# Altium PCB as_x31.PcbDoc (part 1 of 6) (continued)
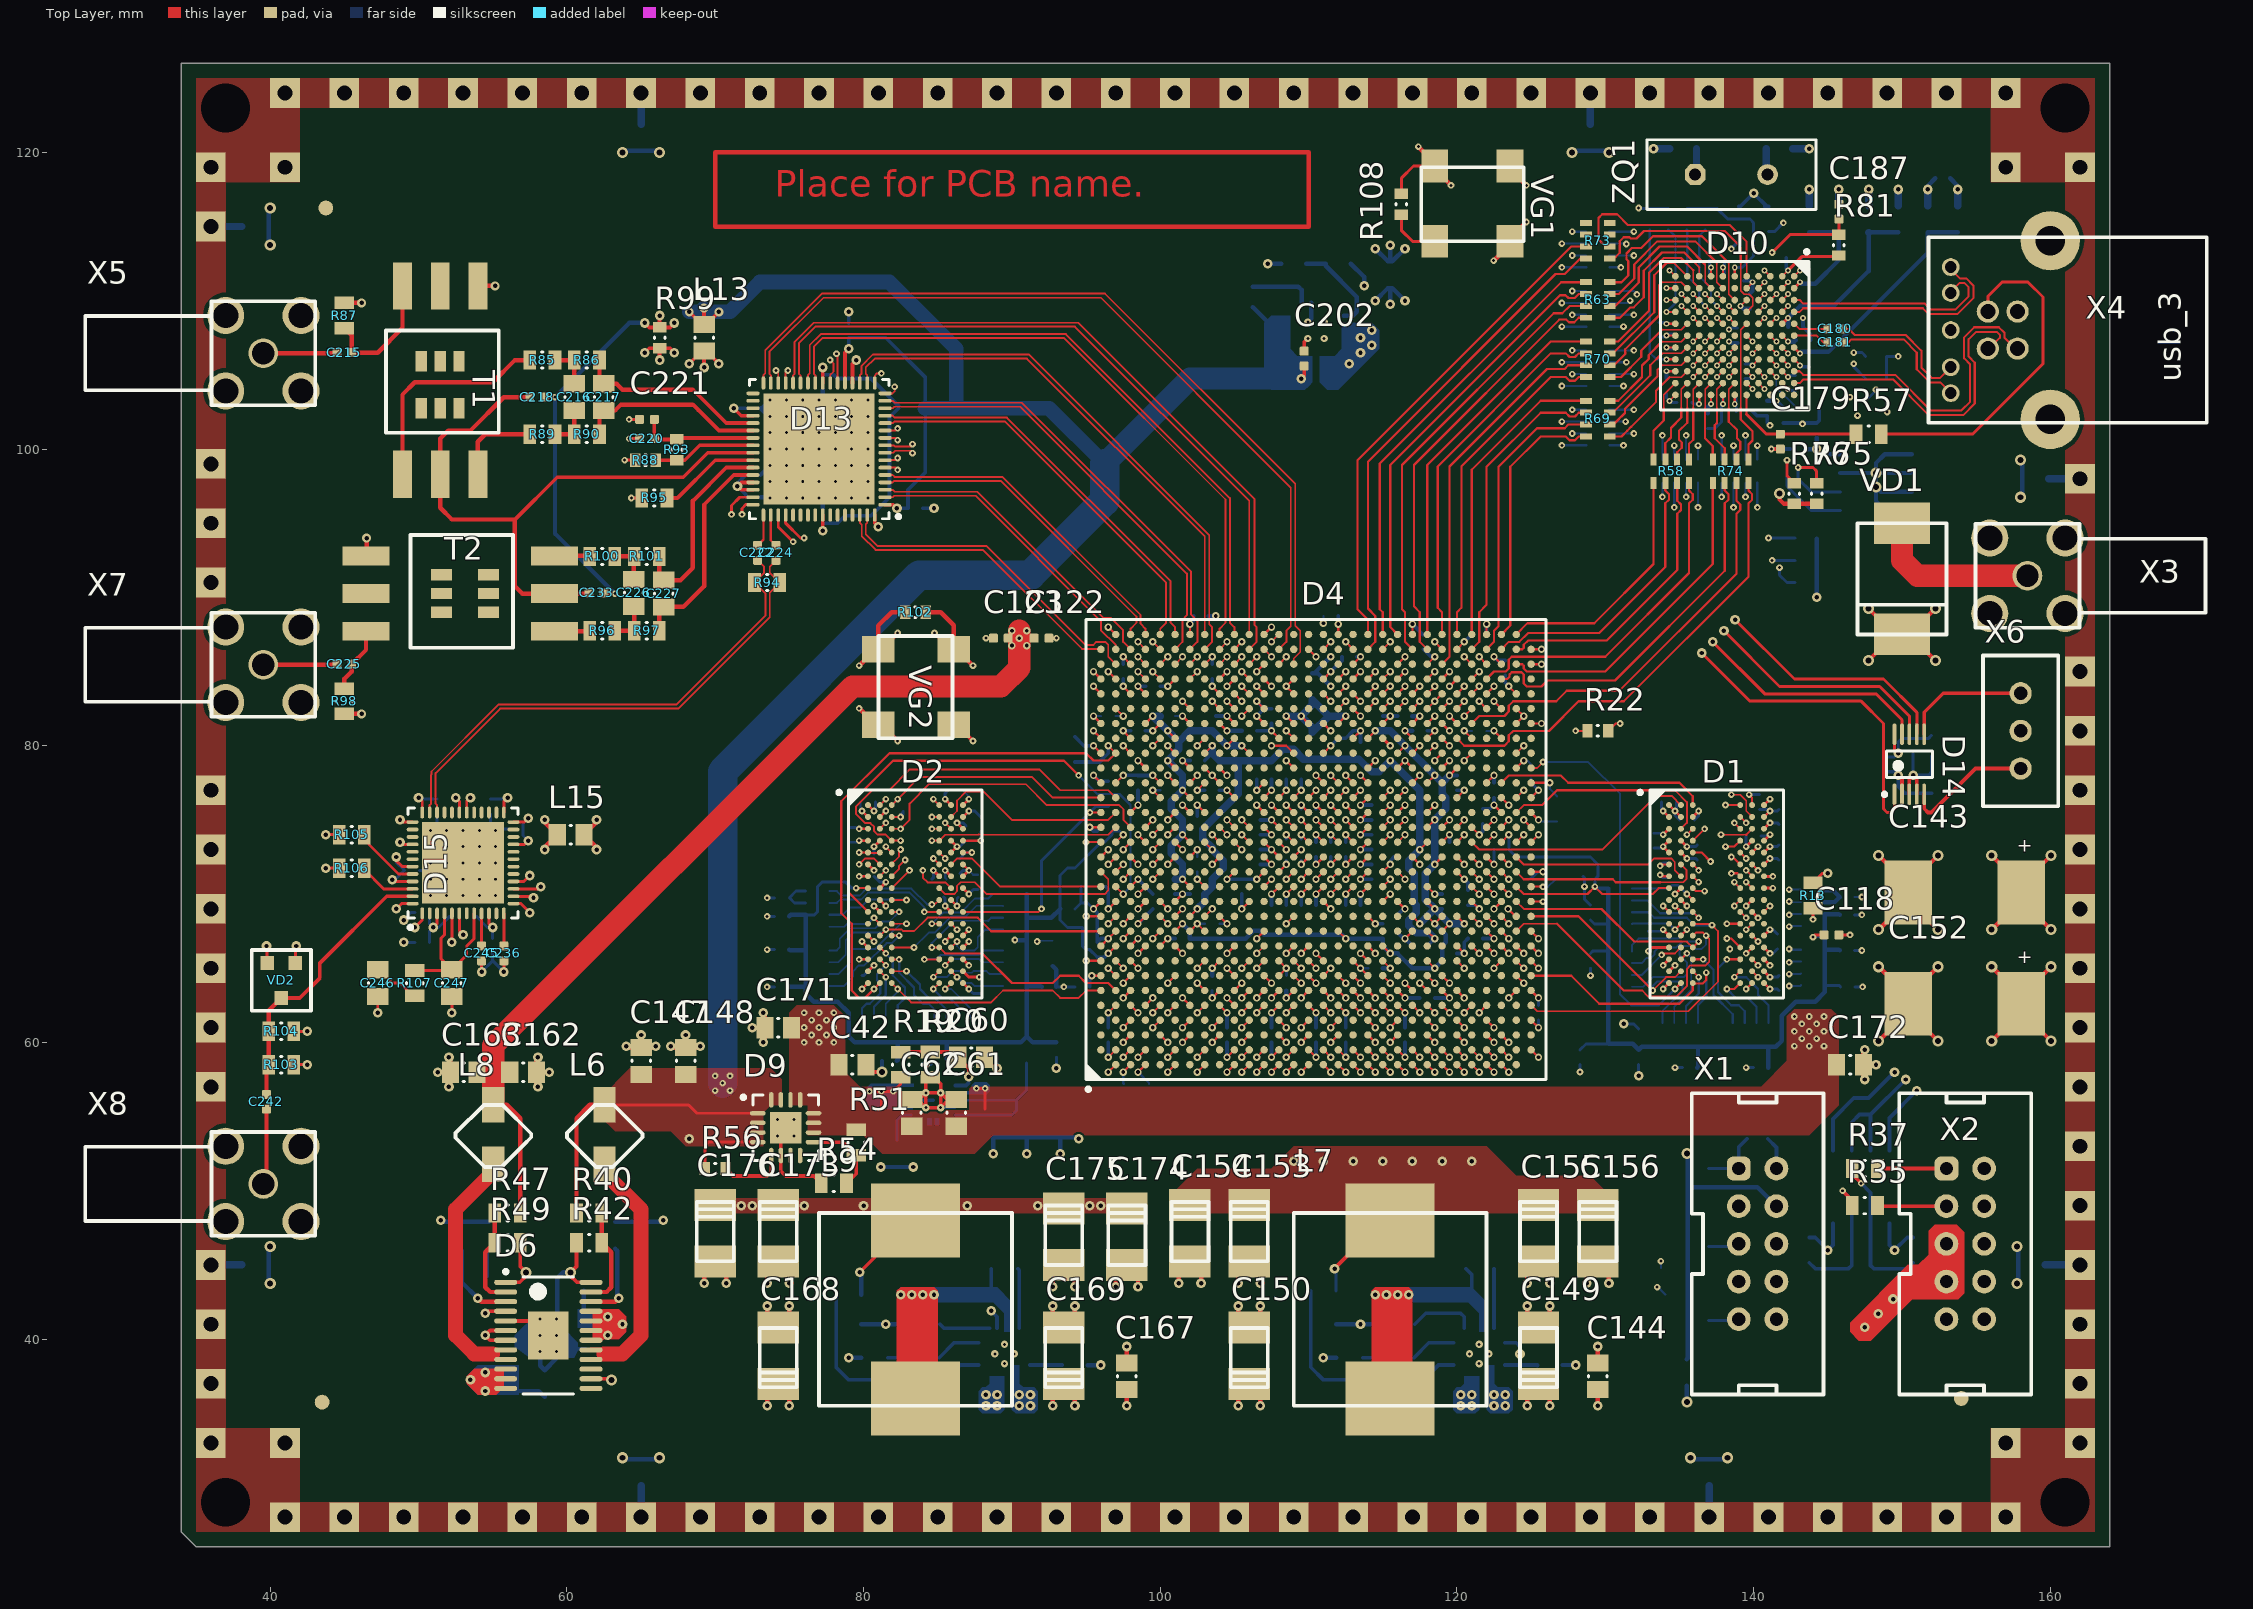
[diagram p0: Top Layer view]
## Classes and differential pairs (continued)
differential pair class ck: D_DDR0_CK_ D_DDR1_CK_
differential pair class dqs: D_DDR0_DQS0_ D_DDR0_DQS1_ D_DDR1_DQS0_ D_DDR1_DQS1_
component class as14120_x31_adc: C215 C216 C217 C218 C219 C220 C221 C222 C223 C224 C225 C226 C227 C228 C229 C230 C231 C232 C233 C234 C235 C236 C237 C238 C239 C240 C241 C242 C243 C244 C245 C246 C247 D13 D14 D15 L13 L14 L15 L16 R85 R86 R87 R88 R89 R90 R91 R92 R93 R94 R95 R96 R97 R98 R99 R100 R101 R102 R103 R104 R105 R106 R107 T1 T2 VD2 VG2 X5 X6 X7 X8
component class as14120_x31_ddr: C1 C2 C3 C4 C5 C6 C7 C8 C9 C10 C11 C12 C13 C14 C15 C16 C17 C18 C19 C20 C21 C22 C23 C24 C25 C26 C27 C28 C29 C30 C31 C32 C33 C34 C35 C36 C37 C38 C39 C40 C41 C42 C43 C44 C45 C46 C47 C48 C49 C50 C51 C52 C53 C54 C55 C56 C57 C58 C59 C60 C61 C62 C248 C249 D1 D2 D3 L1 L2 R1 R2 R3 R4 R5 R6 R7 R8 R9 R10 R11 R12 R13 R14 R15 R16 R17 R18 R19 R20
component class as14120_x31_fpga_cypress: R22
component class as14120_x31_fpga_ddr: R23 R24
component class as14120_x31_fpga_power_conf: C63 C64 C65 C66 C67 C68 C69 C70 C71 C72 C73 C74 C75 C76 C77 C78 C79 C80 C81 C82 C83 C84 C85 C86 C87 C88 C89 C90 C91 C92 C93 C94 C95 C96 C97 C98 C99 C100 C101 C102 C103 C104 C105 C106 C107 C108 C109 C110 C111 C112 C113 C114 C115 C116 C117 C118 C119 C120 C121 C122 C123 C124 C125 C126 C127 C128 C129 C130 C131 C132 C133 C134 C135 C136 C137 C138 C139 C140 C141 C142 C250 C251 C252 C253 L3 L4 L5 R25 R26 R27 R28 R29 R30 R31 R32 R33 X1
component class as14120_x31_fpga_ttl: D4 D5 R34 R35 R36 R37 R38 R39 X2
component class as14120_x31_power: C143 C144 C145 C146 C147 C148 C149 C150 C151 C152 C153 C154 C155 C156 C157 C158 C159 C160 C161 C162 C163 C164 C165 C166 C167 C168 C169 C170 C171 C172 C173 C174 C175 C176 C177 C178 D6 D7 D8 D9 L6 L7 L8 L9 L17 L18 L19 L20 L21 L22 L23 L24 R40 R41 R42 R43 R44 R45 R46 R47 R48 R49 R50 R51 R52 R53 R54 R55 R56 VD1 X3
component class as14120_x31_usb: C179 C180 C181 C182 C183 C184 C185 C186 C187 C188 C189 C190 C191 C192 C193 C194 C195 C196 C197 C198 C199 C200 C201 C202 C203 C204 C205 C206 C207 C208 C209 C210 C211 C212 C213 C214 D10 D11 D12 L10 L11 L12 R57 R58 R59 R60 R61 R62 R63 R64 R65 R66 R67 R68 R69 R70 R71 R72 R73 R74 R75 R76 R77 R78 R79 R80 R81 R82 R83 R84 R108 R109 VG1 X4
differential pair class adc: D_ADC_CLK_ D_ADC_D0_ D_ADC_D1_ D_ADC_D2_ D_ADC_D3_ D_ADC_D4_ D_ADC_D5_ D_ADC_D6_ D_ADC_D7_ D_ADC_D8_ D_ADC_D9_ D_ADC_D10_ D_ADC_D11_ D_ADC_D12_ D_ADC_D13_ D_ADC_DCO_
net class power: 0V 0VA 12V AVDD SHIELD U3RXVDDQ U3TXVDDQ V0P75D V1P1D V1P2D V1P5D V1P8A V1P8D V1P8DVDD V2P5D V3P3D VCC_AUX VCC_PLL VCCPGM VREF VREFDDR0 VREFDDR1
component class "Room Definition 1": D4
component class "Room Definition 2": D10
net class ddr1_a_c: DDR1_A0 DDR1_A1 DDR1_A2 DDR1_A3 DDR1_A4 DDR1_A5 DDR1_A6 DDR1_A7 DDR1_A8 DDR1_A9 DDR1_A10 DDR1_A11 DDR1_A12 DDR1_A13 DDR1_A14 DDR1_BA0 DDR1_BA1 DDR1_BA2 DDR1_CAS DDR1_CK_N DDR1_CK_P DDR1_CS DDR1_RAS DDR1_WE
net class ddr1_d: DDR1_DM0 DDR1_DM1 DDR1_DQ0 DDR1_DQ1 DDR1_DQ2 DDR1_DQ3 DDR1_DQ4 DDR1_DQ5 DDR1_DQ6 DDR1_DQ7 DDR1_DQ8 DDR1_DQ9 DDR1_DQ10 DDR1_DQ11 DDR1_DQ12 DDR1_DQ13 DDR1_DQ14 DDR1_DQ15 DDR1_DQS0_N DDR1_DQS0_P DDR1_DQS1_N DDR1_DQS1_P
net class ad9517: AD97_CS AD9517_FPGA_CLK AD9517_REF_SEL AD9517_REFMON AD9517_SCLK AD9517_SDIO AD9517_SDO AD9517_STATUS
net class usb_drv_bus: CTRL0 CTRL1 CTRL2 CTRL3 CTRL4 CTRL5 CTRL6 CTRL7 CTRL8 CTRL9 CTRL10 CTRL11 CTRL12 D0 D1 D2 D3 D4 D5 D6 D7 D8 D9 D10 D11 D12 D13 D14 D15 D16 D17 D18 D19 D20 D21 D22 D23 D24 D25 D26 D27 D28 D29 D30 D31 PCLK
net class FPGA_conf: FPGA_CONF_DONE FPGA_DATA0 FPGA_DCLK FPGA_NCONFIG FPGA_NSTATUS
net class ad5322: AD5322_DIN AD5322_LDAC AD5322_SCLK AD5322_SYNC
net class ttl_: TTL_RX TTL_TX TTL_TX_EN
net class JTAG: TCK TDI TDO TMS
differential pair SS_RX: +SS_RX_P -SS_RX_N
differential pair SS_TX: +SS_TX_P -SS_TX_N
differential pair USB: +USB_P -USB_N
differential pair D_DDR1_DQS1_: +DDR1_DQS1_P -DDR1_DQS1_N
differential pair D_DDR1_DQS0_: +DDR1_DQS0_P -DDR1_DQS0_N
differential pair D_DDR1_CK_: +DDR1_CK_P -DDR1_CK_N
differential pair D_DDR0_DQS1_: +DDR0_DQS1_P -DDR0_DQS1_N
differential pair D_DDR0_DQS0_: +DDR0_DQS0_P -DDR0_DQS0_N
differential pair D_DDR0_CK_: +DDR0_CK_P -DDR0_CK_N
differential pair D_ADC_DCO_: +ADC_DCO_P -ADC_DCO_N
differential pair D_ADC_D13_: +ADC_D13_P -ADC_D13_N
differential pair D_ADC_D12_: +ADC_D12_P -ADC_D12_N
differential pair D_ADC_D11_: +ADC_D11_P -ADC_D11_N
differential pair D_ADC_D10_: +ADC_D10_P -ADC_D10_N
differential pair D_ADC_D9_: +ADC_D9_P -ADC_D9_N
differential pair D_ADC_D8_: +ADC_D8_P -ADC_D8_N
differential pair D_ADC_D7_: +ADC_D7_P -ADC_D7_N
differential pair D_ADC_D6_: +ADC_D6_P -ADC_D6_N
differential pair D_ADC_D5_: +ADC_D5_P -ADC_D5_N
differential pair D_ADC_D4_: +ADC_D4_P -ADC_D4_N
differential pair D_ADC_D3_: +ADC_D3_P -ADC_D3_N
differential pair D_ADC_D2_: +ADC_D2_P -ADC_D2_N
differential pair D_ADC_D1_: +ADC_D1_P -ADC_D1_N
differential pair D_ADC_D0_: +ADC_D0_P -ADC_D0_N
differential pair D_ADC_CLK_: +ADC_CLK_P -ADC_CLK_N

## Components (designator, comment, footprint, x,y, rotation, side; value= is the part's Value field where it differs from the comment)
1 "" fiducial_1/2 154,36 r180 bottom
2 "" fiducial_1/2 43.5,35.75 r180 bottom
3 "" fiducial_1/2 43.75,116.25 r180 bottom
C1 "CAP 1uF 10V 0402(1005)" CAPC0402(1005)60_M 146.3,69.8 r180 bottom
C2 "CAP 1uF 10V 0402(1005)" CAPC0402(1005)60_M 74.5,69.75 r0 bottom
C3 "CAP 1uF 10V 0402(1005)" CAPC0402(1005)60_M 146.3,68.6 r0 bottom
C4 "CAP 1uF 10V 0402(1005)" CAPC0402(1005)60_M 74.5,68.5 r180 bottom
C5 "CAP 1uF 10V 0402(1005)" CAPC0402(1005)60_M 146.3,66.2 r0 bottom
C6 "CAP 1uF 10V 0402(1005)" CAPC0402(1005)60_M 74.5,66.25 r180 bottom
C7 "CAP 1uF 10V 0402(1005)" CAPC0402(1005)60_M 140.5,58.3 r180 bottom
C8 "CAP 1uF 10V 0402(1005)" CAPC0402(1005)60_M 81.75,58.75 r180 bottom
C9 "CAP 1uF 10V 0402(1005)" CAPC0402(1005)60_M 135.7,58.3 r180 bottom
C10 "CAP 1uF 10V 0402(1005)" CAPC0402(1005)60_M 85.25,58.75 r180 bottom
C11 "CAP 1uF 10V 0402(1005)" CAPC0402(1005)60_M 129,71.2 r180 bottom
C12 "CAP 1uF 10V 0402(1005)" CAPC0402(1005)60_M 92.5,63.75 r0 bottom
C13 "CAP 1uF 10V 0402(1005)" CAPC0402(1005)60_M 129,65.5 r270 bottom
C14 "CAP 1uF 10V 0402(1005)" CAPC0402(1005)60_M 93.75,69 r0 bottom
C15 "CAP 1uF 10V 0402(1005)" CAPC0402(1005)60_M 128.3,59 r90 bottom
C16 "CAP 1uF 10V 0402(1005)" CAPC0402(1005)60_M 146.35,63.75 r180 bottom
C17 "CAP 1uF 10V 0402(1005)" CAPC0402(1005)60_M 74.5,63.75 r0 bottom
C18 "CAP 1uF 10V 0402(1005)" CAPC0402(1005)60_M 93,59.5 r90 bottom
C19 "CAP 1uF 10V 0402(1005)" CAPC0402(1005)60_M 123,73 r0 bottom
C20 "CAP 1uF 10V 0402(1005)" CAPC0402(1005)60_M 132.25,59 r90 bottom
C21 "CAP 1uF 10V 0402(1005)" CAPC0402(1005)60_M 95.75,66.25 r270 bottom
C22 "CAP 1uF 10V 0402(1005)" CAPC0402(1005)60_M 89,59.5 r90 bottom
C23 "CAP 1uF 10V 0402(1005)" CAPC0402(1005)60_M 134.3,71.6 r90 bottom
C24 "CAP 1uF 10V 0402(1005)" CAPC0402(1005)60_M 141.6,70.8 r270 bottom
C25 "CAP 1uF 10V 0402(1005)" CAPC0402(1005)60_M 141.7,72.8 r90 bottom
C26 "CAP 1uF 10V 0402(1005)" CAPC0402(1005)60_M 140,73.9 r0 bottom
C27 "CAP 1uF 10V 0402(1005)" CAPC0402(1005)60_M 141.7,75.2 r270 bottom
C28 "CAP 1uF 10V 0402(1005)" CAPC0402(1005)60_M 136.2,72.8 r90 bottom
C29 "CAP 1uF 10V 0402(1005)" CAPC0402(1005)60_M 133.3,73.6 r90 bottom
C30 "CAP 1uF 10V 0402(1005)" CAPC0402(1005)60_M 140.4,76.2 r90 bottom
C31 "CAP 1uF 10V 0402(1005)" CAPC0402(1005)60_M 82.2,75.6 r180 bottom
C32 "CAP 1uF 10V 0402(1005)" CAPC0402(1005)60_M 79.1,74.1 r90 bottom
C33 "CAP 1uF 10V 0402(1005)" CAPC0402(1005)60_M 80.3,76.2 r0 bottom
C34 "CAP 1uF 10V 0402(1005)" CAPC0402(1005)60_M 80.2,71.2 r0 bottom
C35 "CAP 1uF 10V 0402(1005)" CAPC0402(1005)60_M 87.7,70.8 r270 bottom
C36 "CAP 1uF 10V 0402(1005)" CAPC0402(1005)60_M 85.9,69.8 r180 bottom
C37 "CAP 1uF 10V 0402(1005)" CAPC0402(1005)60_M 85.1,71 r180 bottom
C38 "CAP 1uF 10V 0402(1005)" CAPC0402(1005)60_M 86.9,74.1 r90 bottom
C39 "CAP_0805" CAPC0805(2012)100_N 88.75,54.5 r90 bottom
C40 "CAP_0805" CAPC0805(2012)100_N 91,54.5 r90 bottom
C41 "CAP_0805" CAPC0805(2012)100_N 93.25,54.5 r90 bottom
C42 "CAP_0805" CAPC0805(2012)100_N 79.25,58.5 r180 top
C43 "CAP_0805" CAPC0805(2012)100_N 82.25,52.5 r90 bottom
C44 "CAP 1uF 10V 0402(1005)" CAPC0402(1005)60_M 139,71.7 r180 bottom
C45 "CAP 1uF 10V 0402(1005)" CAPC0402(1005)60_M 134.4,65 r0 bottom
C46 "CAP 1uF 10V 0402(1005)" CAPC0402(1005)60_M 140.3,68.8 r270 bottom
C47 "CAP 1uF 10V 0402(1005)" CAPC0402(1005)60_M 135.5,75 r180 bottom
C48 "CAP 1uF 10V 0402(1005)" CAPC0402(1005)60_M 135.2,69.3 r180 bottom
C49 "CAP 1uF 10V 0402(1005)" CAPC0402(1005)60_M 132.8,67 r270 bottom
C50 "CAP 1uF 10V 0402(1005)" CAPC0402(1005)60_M 141.6,66.8 r270 bottom
C51 "CAP 1uF 10V 0402(1005)" CAPC0402(1005)60_M 141.7,64 r90 bottom
C52 "CAP 1uF 10V 0402(1005)" CAPC0402(1005)60_M 80.2,72.7 r0 bottom
C53 "CAP 1uF 10V 0402(1005)" CAPC0402(1005)60_M 86.5,71.9 r90 bottom
C54 "CAP 1uF 10V 0402(1005)" CAPC0402(1005)60_M 87.9,74.7 r270 bottom
C55 "CAP 1uF 10V 0402(1005)" CAPC0402(1005)60_M 87.1,67.2 r270 bottom
C56 "CAP 1uF 10V 0402(1005)" CAPC0402(1005)60_M 81.2,69.1 r180 bottom
C57 "CAP 1uF 10V 0402(1005)" CAPC0402(1005)60_M 79.7,66.3 r90 bottom
C58 "CAP 1uF 10V 0402(1005)" CAPC0402(1005)60_M 79.9,64 r90 bottom
C59 "CAP 1uF 10V 0402(1005)" CAPC0402(1005)60_M 87.9,63.8 r90 bottom
C60 "CAP_0805" CAPC0805(2012)100_N 87.25,59 r180 top
C61 "CAP_0805" CAPC0805(2012)100_N 86.25,55.25 r270 top
C62 "CAP_0805" CAPC0805(2012)100_N 83.25,55.25 r270 top
C63 "CAP 1uF 10V 0402(1005)" CAPC0402(1005)60_M 104.5,60.5 r90 bottom
C64 "CAP 1uF 10V 0402(1005)" CAPC0402(1005)60_M 110.5,60.5 r90 bottom
C65 "CAP 1uF 10V 0402(1005)" CAPC0402(1005)60_M 107,77.75 r0 bottom
C66 "CAP 1uF 10V 0402(1005)" CAPC0402(1005)60_M 108,69.25 r0 bottom
C67 "CAP 1uF 10V 0402(1005)" CAPC0402(1005)60_M 110,69.25 r0 bottom
C68 "CAP 1uF 10V 0402(1005)" CAPC0402(1005)60_M 113,69.25 r180 bottom
C69 "CAP 1uF 10V 0402(1005)" CAPC0402(1005)60_M 110.5,73 r270 bottom
C70 "CAP 1uF 10V 0402(1005)" CAPC0402(1005)60_M 108.5,64 r270 bottom
C71 "CAP 1uF 10V 0402(1005)" CAPC0402(1005)60_M 103.5,64 r90 bottom
C72 "CAP 1uF 10V 0402(1005)" CAPC0402(1005)60_M 117.5,81 r180 bottom
C73 "CAP 1uF 10V 0402(1005)" CAPC0402(1005)60_M 106,81 r180 bottom
C74 "CAP 1uF 10V 0402(1005)" CAPC0402(1005)60_M 114.5,65 r0 bottom
C75 "CAP 1uF 10V 0402(1005)" CAPC0402(1005)60_M 107.5,60.5 r90 bottom
C76 "CAP 1uF 10V 0402(1005)" CAPC0402(1005)60_M 116.5,60.5 r90 bottom
C77 "CAP 1uF 10V 0402(1005)" CAPC0402(1005)60_M 109,77.75 r0 bottom
C78 "CAP 1uF 10V 0402(1005)" CAPC0402(1005)60_M 106.75,72.5 r270 bottom
C79 "CAP 1uF 10V 0402(1005)" CAPC0402(1005)60_M 110,75.75 r180 bottom
C80 "CAP 1uF 10V 0402(1005)" CAPC0402(1005)60_M 114.25,71.5 r270 bottom
C81 "CAP 1uF 10V 0402(1005)" CAPC0402(1005)60_M 111.5,73 r90 bottom
C82 "CAP 1uF 10V 0402(1005)" CAPC0402(1005)60_M 102.5,70 r0 bottom
C83 "CAP 1uF 10V 0402(1005)" CAPC0402(1005)60_M 117.5,66.5 r0 bottom
C84 "CAP 1uF 10V 0402(1005)" CAPC0402(1005)60_M 116.25,72.5 r0 bottom
C85 "CAP 1uF 10V 0402(1005)" CAPC0402(1005)60_M 113.5,79.75 r270 bottom
C86 "CAP 1uF 10V 0402(1005)" CAPC0402(1005)60_M 102.5,79 r0 bottom
C87 "CAP 1uF 10V 0402(1005)" CAPC0402(1005)60_M 112.5,73 r270 bottom
C88 "CAP 1uF 10V 0402(1005)" CAPC0402(1005)60_M 114.25,73.5 r270 bottom
C89 "CAP 1uF 10V 0402(1005)" CAPC0402(1005)60_M 106.75,74.5 r270 bottom
C90 "CAP 1uF 10V 0402(1005)" CAPC0402(1005)60_M 114.25,75.5 r270 bottom
C91 "CAP 1uF 10V 0402(1005)" CAPC0402(1005)60_M 109,73.75 r0 bottom
C92 "CAP 1uF 10V 0402(1005)" CAPC0402(1005)60_M 109,72.25 r180 bottom
C93 "CAP 1uF 10V 0402(1005)" CAPC0402(1005)60_M 118,63 r0 bottom
C94 "CAP 1uF 10V 0402(1005)" CAPC0402(1005)60_M 112.5,60.5 r90 bottom
C95 "CAP 1uF 10V 0402(1005)" CAPC0402(1005)60_M 101.5,67 r0 bottom
C96 "CAP 1uF 10V 0402(1005)" CAPC0402(1005)60_M 116.5,82 r0 bottom
C97 "CAP 1uF 10V 0402(1005)" CAPC0402(1005)60_M 117.75,87 r270 bottom
C98 "CAP 1uF 10V 0402(1005)" CAPC0402(1005)60_M 112.5,81 r90 bottom
C99 "CAP 1uF 10V 0402(1005)" CAPC0402(1005)60_M 107.5,82 r90 bottom
C100 "CAP 1uF 10V 0402(1005)" CAPC0402(1005)60_M 102.75,88.75 r180 bottom
C101 "CAP 1uF 10V 0402(1005)" CAPC0402(1005)60_M 111.5,88.75 r0 bottom
C102 "CAP 1uF 10V 0402(1005)" CAPC0402(1005)60_M 118,83.25 r180 bottom
C103 "CAP 1uF 10V 0402(1005)" CAPC0402(1005)60_M 101,70.5 r90 bottom
C104 "CAP 1uF 10V 0402(1005)" CAPC0402(1005)60_M 121.5,87.5 r0 bottom
C105 "CAP 1uF 10V 0402(1005)" CAPC0402(1005)60_M 115,81.5 r270 bottom
C106 "CAP 1uF 10V 0402(1005)" CAPC0402(1005)60_M 120,77.5 r90 bottom
C107 "CAP 1uF 10V 0402(1005)" CAPC0402(1005)60_M 119,73.5 r180 bottom
C108 "CAP 1uF 10V 0402(1005)" CAPC0402(1005)60_M 119,69.5 r270 bottom
C109 "CAP 1uF 10V 0402(1005)" CAPC0402(1005)60_M 119.5,66 r180 bottom
C110 "CAP 1uF 10V 0402(1005)" CAPC0402(1005)60_M 115,67.5 r270 bottom
C111 "CAP 1uF 10V 0402(1005)" CAPC0402(1005)60_M 120.75,69.75 r90 bottom
C112 "CAP 1uF 10V 0402(1005)" CAPC0402(1005)60_M 121.75,75.25 r270 bottom
C113 "CAP 1uF 10V 0402(1005)" CAPC0402(1005)60_M 121.25,67 r0 bottom
C114 "CAP 1uF 10V 0402(1005)" CAPC0402(1005)60_M 125.5,62 r270 bottom
C115 "CAP 1uF 10V 0402(1005)" CAPC0402(1005)60_M 122.5,77 r90 bottom
C116 "CAP 1uF 10V 0402(1005)" CAPC0402(1005)60_M 121.5,81 r0 bottom
C117 "CAP 1uF 10V 0402(1005)" CAPC0402(1005)60_M 123.25,85.25 r270 bottom
C118 "CAP 1uF 10V 0402(1005)" CAPC0402(1005)60_M 145.25,67.25 r180 top
C119 "CAP 1uF 10V 0402(1005)" CAPC0402(1005)60_M 129,68.75 r270 bottom
C120 "CAP 1uF 10V 0402(1005)" CAPC0402(1005)60_M 96.25,74.25 r0 bottom
C121 "CAP 1uF 10V 0402(1005)" CAPC0402(1005)60_M 95.25,67.75 r180 bottom
C122 "CAP 1uF 10V 0402(1005)" CAPC0402(1005)60_M 92,87.25 r180 top
C123 "CAP 1uF 10V 0402(1005)" CAPC0402(1005)60_M 89.25,87.25 r0 top
C124 "CAP 1uF 10V 0402(1005)" CAPC0402(1005)60_M 96.5,60.5 r90 bottom
C125 "CAP 1uF 10V 0402(1005)" CAPC0402(1005)60_M 98.5,77.5 r270 bottom
C126 "CAP 1uF 10V 0402(1005)" CAPC0402(1005)60_M 98.5,81 r0 bottom
C127 "CAP 1uF 10V 0402(1005)" CAPC0402(1005)60_M 99.5,69.5 r270 bottom
C128 "CAP 1uF 10V 0402(1005)" CAPC0402(1005)60_M 100.5,63 r90 bottom
C129 "CAP 1uF 10V 0402(1005)" CAPC0402(1005)60_M 105.5,70.5 r270 bottom
C130 "CAP 1uF 10V 0402(1005)" CAPC0402(1005)60_M 103.5,77 r0 bottom
C131 "CAP 1uF 10V 0402(1005)" CAPC0402(1005)60_M 100.5,77 r0 bottom
C132 "CAP 1uF 10V 0402(1005)" CAPC0402(1005)60_M 102,75.25 r180 bottom
C133 "CAP 1uF 10V 0402(1005)" CAPC0402(1005)60_M 103.75,81.5 r270 bottom
C134 "CAP 1uF 10V 0402(1005)" CAPC0402(1005)60_M 112.75,86 r180 bottom
C135 "CAP 1uF 10V 0402(1005)" CAPC0402(1005)60_M 102.5,72 r270 bottom
C136 "CAP 1uF 10V 0402(1005)" CAPC0402(1005)60_M 96.5,82 r0 bottom
C137 "CAP 1uF 10V 0402(1005)" CAPC0402(1005)60_M 103.5,68 r180 bottom
C138 "CAP 1uF 10V 0402(1005)" CAPC0402(1005)60_M 94.75,63.75 r0 bottom
C139 "CAP 1uF 10V 0402(1005)" CAPC0402(1005)60_M 100.5,82 r180 bottom
C140 "CAP 1uF 10V 0402(1005)" CAPC0402(1005)60_M 103.5,85 r270 bottom
C141 "CAP 1uF 10V 0402(1005)" CAPC0402(1005)60_M 99.5,84 r0 bottom
C142 "CAP 1uF 10V 0402(1005)" CAPC0402(1005)60_M 97.5,85 r90 bottom
C143 "AVX_D" AVX_D 158.05,70.1 r180 top
C144 "CAP_0805" CAPC0805(2012)100_N 129.5,37.5 r90 top
C145 "CAP_0805" CAPC0805(2012)100_N 58.5,37 r270 bottom
C146 "CAP_0805" CAPC0805(2012)100_N 60.25,43.25 r0 bottom
C147 "CAP_0805" CAPC0805(2012)100_N 65,58.75 r270 top
C148 "CAP_0805" CAPC0805(2012)100_N 68,58.75 r270 top
C149 "avx_b" avx_b 125.5,41 r270 top
C150 "avx_b" avx_b 106,41 r270 top
C151 "CAP_0805" CAPC0805(2012)100_N 121.5,44.75 r180 bottom
C152 "AVX_D" AVX_D 158.05,62.6 r180 top
C153 "avx_b" avx_b 106,45 r90 top
C154 "avx_b" avx_b 102,45 r90 top
C155 "avx_b" avx_b 125.5,45 r90 top
C156 "avx_b" avx_b 129.5,45 r90 top
C157 "CAP_0805" CAPC0805(2012)100_N 65.25,47 r270 bottom
C158 "CAP_0805" CAPC0805(2012)100_N 63.25,47 r270 bottom
C159 "CAP_0805" CAPC0805(2012)100_N 61.25,40.25 r90 bottom
C160 "CAP_0805" CAPC0805(2012)100_N 56.25,39 r270 bottom
C161 "CAP_0805" CAPC0805(2012)100_N 116.25,41 r0 bottom
C162 "CAP_0805" CAPC0805(2012)100_N 57.05,58 r180 top
C163 "CAP_0805" CAPC0805(2012)100_N 53.05,58 r0 top
C164 "CAP_0805" CAPC0805(2012)100_N 54.75,47 r270 bottom
C165 "CAP_0805" CAPC0805(2012)100_N 52.75,47 r270 bottom
C166 "CAP_0805" CAPC0805(2012)100_N 112.75,38.75 r0 bottom
C167 "CAP_0805" CAPC0805(2012)100_N 97.75,37.5 r90 top
C168 "avx_b" avx_b 74.25,41 r270 top
C169 "avx_b" avx_b 93.5,41 r270 top
C170 "CAP_0805" CAPC0805(2012)100_N 89.5,44.75 r180 bottom
C171 "CAP_0805" CAPC0805(2012)100_N 74.25,61 r0 top
C172 "CAP_0805" CAPC0805(2012)100_N 146.5,58.5 r180 top
C173 "avx_b" avx_b 74.25,45 r90 top
C174 "avx_b" avx_b 97.75,44.75 r90 top
C175 "avx_b" avx_b 93.5,44.75 r90 top
C176 "avx_b" avx_b 70,45 r90 top
C177 "CAP_0805" CAPC0805(2012)100_N 84.25,41 r0 bottom
C178 "CAP_0805" CAPC0805(2012)100_N 80.75,38.75 r0 bottom
C179 "CAP 1uF 10V 0402(1005)" CAPC0402(1005)60_M 141.8,100.5 r270 top
C180 "CAP 1uF 10V 0402(1005)" CAPC0402(1005)60_M 145.5,108.1 r180 top
C181 "CAP 1uF 10V 0402(1005)" CAPC0402(1005)60_M 145.5,107.2 r180 top
C182 "CAP_0805" CAPC0805(2012)100_N 135.25,120.25 r0 bottom
C183 "CAP_0805" CAPC0805(2012)100_N 141.75,120.25 r180 bottom
C184 "CAP_0805" CAPC0805(2012)100_N 115.5,111.75 r270 bottom
C185 "CAP 1uF 10V 0402(1005)" CAPC0402(1005)60_M 143.729,111.646 r270 bottom
C186 "CAP_0805" CAPC0805(2012)100_N 145.75,115.5 r270 bottom
C187 "CAP 1uF 10V 0402(1005)" CAPC0402(1005)60_M 145.75,116 r270 top
C188 "CAP 1uF 10V 0402(1005)" CAPC0402(1005)60_M 142.829,108.246 r180 bottom
C189 "CAP_0805" CAPC0805(2012)100_N 149.75,115.5 r270 bottom
C190 "CAP 1uF 10V 0402(1005)" CAPC0402(1005)60_M 143.729,106.046 r90 bottom
C191 "CAP_0805" CAPC0805(2012)100_N 153.75,115.5 r270 bottom
C192 "CAP 1uF 10V 0402(1005)" CAPC0402(1005)60_M 133.629,108.046 r90 bottom
C193 "CAP 1uF 10V 0402(1005)" CAPC0402(1005)60_M 137.529,112.746 r180 bottom
C194 "CAP 1uF 10V 0402(1005)" CAPC0402(1005)60_M 138.329,102.546 r0 bottom
C195 "CAP 1uF 10V 0402(1005)" CAPC0402(1005)60_M 152.75,118.25 r180 bottom
C196 "CAP 1uF 10V 0402(1005)" CAPC0402(1005)60_M 139.429,105.246 r270 bottom
C197 "CAP 1uF 10V 0402(1005)" CAPC0402(1005)60_M 142.829,104.446 r270 bottom
C198 "CAP 1uF 10V 0402(1005)" CAPC0402(1005)60_M 135.329,103.146 r0 bottom
C199 "CAP 1uF 10V 0402(1005)" CAPC0402(1005)60_M 138.329,103.546 r0 bottom
C200 "CAP 1uF 10V 0402(1005)" CAPC0402(1005)60_M 134.629,107.246 r270 bottom
C201 "CAP 1uF 10V 0402(1005)" CAPC0402(1005)60_M 137.529,111.846 r180 bottom
C202 "CAP 1uF 10V 0402(1005)" CAPC0402(1005)60_M 109.7,106.1 r270 top
C203 "CAP 1uF 10V 0402(1005)" CAPC0402(1005)60_M 138.929,107.646 r270 bottom
C204 "CAP 1uF 10V 0402(1005)" CAPC0402(1005)60_M 134.129,104.246 r90 bottom
C205 "CAP 1uF 10V 0402(1005)" CAPC0402(1005)60_M 139.329,111.846 r90 bottom
C206 "CAP 1uF 10V 0402(1005)" CAPC0402(1005)60_M 139.729,109.946 r270 bottom
C207 "CAP 1uF 10V 0402(1005)" CAPC0402(1005)60_M 136.9,101.9 r90 bottom
C208 "CAP 1uF 10V 0402(1005)" CAPC0402(1005)60_M 142.7,112.9 r180 bottom
C209 "CAP 1uF 10V 0402(1005)" CAPC0402(1005)60_M 143,100 r0 bottom
C210 "CAP 1uF 10V 0402(1005)" CAPC0402(1005)60_M 142,102.25 r90 bottom
C211 "CAP 1uF 10V 0402(1005)" CAPC0402(1005)60_M 140.929,102.746 r90 bottom
C212 "CAP 1uF 10V 0402(1005)" CAPC0402(1005)60_M 144.25,101.25 r270 bottom
C213 "CAP 1uF 10V 0402(1005)" CAPC0402(1005)60_M 143.329,107.346 r180 bottom
C214 "CAP 1uF 10V 0402(1005)" CAPC0402(1005)60_M 139.929,103.046 r90 bottom
C215 "CAP 1uF 10V 0402(1005)" CAPC0402(1005)60_M 45,106.5 r0 top
C216 "CAP_0805" CAPC0805(2012)100_N 60.5,103.5 r90 top
C217 "CAP_0805" CAPC0805(2012)100_N 62.5,103.5 r90 top
C218 "CAP 1uF 10V 0402(1005)" CAPC0402(1005)60_M 58,103.5 r0 top
C219 "CAP 1uF 10V 0402(1005)" CAPC0402(1005)60_M 150.75,80 r270 bottom
C220 "CAP 1uF 10V 0402(1005)" CAPC0402(1005)60_M 65.4,100.7 r180 top
C221 "CAP 1uF 10V 0402(1005)" CAPC0402(1005)60_M 65.4,102 r180 top
C222 "CAP 1uF 10V 0402(1005)" CAPC0402(1005)60_M 72.85,93 r90 top
C223 "CAP 1uF 10V 0402(1005)" CAPC0402(1005)60_M 149,78.75 r270 bottom
C224 "CAP 1uF 10V 0402(1005)" CAPC0402(1005)60_M 74.1,93 r90 top
C225 "CAP 1uF 10V 0402(1005)" CAPC0402(1005)60_M 45,85.5 r0 top
C226 "CAP_0805" CAPC0805(2012)100_N 64.5,90.3 r270 top
C227 "CAP_0805" CAPC0805(2012)100_N 66.54,90.26 r270 top
C228 "CAP 1uF 10V 0402(1005)" CAPC0402(1005)60_M 77.25,104.5 r90 bottom
C229 "CAP 1uF 10V 0402(1005)" CAPC0402(1005)60_M 77.25,95.5 r270 bottom
C230 "CAP 1uF 10V 0402(1005)" CAPC0402(1005)60_M 72.55,102.75 r180 bottom
C231 "CAP 1uF 10V 0402(1005)" CAPC0402(1005)60_M 72.55,98.25 r180 bottom
C232 "CAP 1uF 10V 0402(1005)" CAPC0402(1005)60_M 72.55,96.75 r180 bottom
C233 "CAP 1uF 10V 0402(1005)" CAPC0402(1005)60_M 62,90.3 r0 top
C234 "CAP 1uF 10V 0402(1005)" CAPC0402(1005)60_M 83.5,96 r180 bottom
C235 "CAP 1uF 10V 0402(1005)" CAPC0402(1005)60_M 79,108 r270 bottom
C236 "CAP 1uF 10V 0402(1005)" CAPC0402(1005)60_M 55.75,66 r90 top
C237 "CAP 1uF 10V 0402(1005)" CAPC0402(1005)60_M 54.85,75.9 r90 bottom
C238 "CAP 1uF 10V 0402(1005)" CAPC0402(1005)60_M 51.25,75.9 r90 bottom
C239 "CAP 1uF 10V 0402(1005)" CAPC0402(1005)60_M 49.55,71.6 r180 bottom
C240 "CAP 1uF 10V 0402(1005)" CAPC0402(1005)60_M 55,66.5 r90 bottom
C241 "CAP 1uF 10V 0402(1005)" CAPC0402(1005)60_M 56.55,74.4 r0 bottom
C242 "CAP 1uF 10V 0402(1005)" CAPC0402(1005)60_M 39.75,56 r90 top
C243 "CAP 1uF 10V 0402(1005)" CAPC0402(1005)60_M 50.25,66.75 r0 bottom
C244 "CAP 1uF 10V 0402(1005)" CAPC0402(1005)60_M 50.25,68.75 r0 bottom
C245 "CAP 1uF 10V 0402(1005)" CAPC0402(1005)60_M 54.25,66 r90 top
C246 "CAP_0805" CAPC0805(2012)100_N 47.25,64 r90 top
C247 "CAP_0805" CAPC0805(2012)100_N 52.25,64 r90 top
C248 "CAP 1uF 10V 0402(1005)" CAPC0402(1005)60_M 134.3,76.2 r0 bottom
C249 "CAP 1uF 10V 0402(1005)" CAPC0402(1005)60_M 86.2,77 r180 bottom
C250 "CAP 1uF 10V 0402(1005)" CAPC0402(1005)60_M 115.9,68 r90 bottom
C251 "CAP 1uF 10V 0402(1005)" CAPC0402(1005)60_M 125,66.25 r0 bottom
C252 "CAP 1uF 10V 0402(1005)" CAPC0402(1005)60_M 125,78.25 r270 bottom
C253 "CAP 1uF 10V 0402(1005)" CAPC0402(1005)60_M 116,76.75 r180 bottom
D1 "MT41J256M16HA-125" MICT-HA-96 137.5,70 r0 top locked
D2 "MT41J256M16HA-125" MICT-HA-96 83.5,70 r0 top locked
D3 "TPS51200DRCT" TI-DRC10-2400X1650TP_V 84.7,56.1 r180 bottom
D4 "5CEFA7F31C8N" ALTR-896-FBGA-2000A 110.5,73 r90 top locked
D5 "SN65HVD78" 8S1_M 147.25,50.25 r270 bottom
D6 "LTC3615EFE#PBF" LT-FE-24-EPV-AA_N 58.75,40.25 r0 top
D7 "TPS54620RGYR" RGY14-2050X2050TP 121.5,39 r90 bottom
D8 "TPS54620RGYR" RGY14-2050X2050TP 89.5,39 r90 bottom
D9 "ADP1741" CP-16-4_N 74.75,54.25 r0 top
D10 "CYUSB3014" BGA121C80P11X11 138.729,107.646 r270 top locked
D11 "AT24C64(soic)" 8S1_N 148.25,97.75 r180 bottom
D12 "ADP1741" CP-16-4_N 110.5,108 r0 bottom
D13 "AD9640ABCPZ-125" CP-64-6_N 77,100 r180 top
D14 "AD5322ARM" RM-10_L 150.5,78.75 r90 top
D15 "AD9517-4ABCPZ" ADI-CP-48-8_L 53,72.1 r90 top
L1 "BLM21PG300SN1D" CAPC0805(2012)100_N 130.25,59 r90 bottom
L2 "BLM21PG300SN1D" CAPC0805(2012)100_N 91,59.5 r90 bottom
L3 "BLM21PG300SN1D" CAPC0805(2012)100_N 110.25,84 r270 bottom
L4 "BLM21PG300SN1D" CAPC0805(2012)100_N 110.25,80 r90 bottom
L5 "BLM21PG300SN1D" CAPC0805(2012)100_N 135.5,37.75 r270 bottom
L6 "IND_Sumida_CDRH3D16" IND_Sumida_CDRH3D16 62.5,53.75 r90 top
L7 "ind_cdr127_sumida" IND_CDR127_Sumida 115.5,42 r180 top
L8 "IND_Sumida_CDRH3D16" IND_Sumida_CDRH3D16 55,53.75 r90 top
L9 "ind_cdr127_sumida" IND_CDR127_Sumida 83.5,42 r180 top
L10 "BLM21PG300SN1D" CAPC0805(2012)100_N 143.75,115.5 r270 bottom
L11 "BLM21PG300SN1D" CAPC0805(2012)100_N 147.75,115.5 r270 bottom
L12 "BLM21PG300SN1D" CAPC0805(2012)100_N 151.75,115.5 r270 bottom
L13 "BLM21PG300SN1D" CAPC0805(2012)100_N 69.25,107.5 r90 top
L14 "BLM21PG300SN1D" CAPC0805(2012)100_N 83.25,102.75 r0 bottom
L15 "BLM21PG300SN1D" CAPC0805(2012)100_N 60.25,74 r0 top
L16 "BLM21PG300SN1D" CAPC0805(2012)100_N 53,68.5 r0 bottom
L17 "BLM21PG300SN1D" CAPC0805(2012)100_N 65,121 r90 bottom
L18 "BLM21PG300SN1D" CAPC0805(2012)100_N 129,121 r90 bottom
L19 "BLM21PG300SN1D" CAPC0805(2012)100_N 159,98 r0 bottom
L20 "BLM21PG300SN1D" CAPC0805(2012)100_N 158.75,45 r0 bottom
L21 "BLM21PG300SN1D" CAPC0805(2012)100_N 137,31 r270 bottom
L22 "BLM21PG300SN1D" CAPC0805(2012)100_N 65,31 r270 bottom
L23 "BLM21PG300SN1D" CAPC0805(2012)100_N 39,45 r180 bottom
L24 "BLM21PG300SN1D" CAPC0805(2012)100_N 39,115 r180 bottom
R1 "51" CAY16 144,70.25 r270 bottom
R2 "51" CAY16 76.9,67.8 r90 bottom
R3 "51" CAY16 131,63.75 r90 bottom
R4 "51" CAY16 131,67.975 r90 bottom
R5 "51" CAY16 76.9,63.8 r90 bottom
R6 "51" CAY16 144,66.25 r270 bottom
R7 "51" CAY16 90.2,70 r270 bottom
R8 "51" CAY16 87.2,60.8 r180 bottom
R9 "51" CAY16 136.25,60.5 r180 bottom
R10 "51" CAY16 82.3,60.8 r180 bottom
R11 "51" CAY16 141,60.5 r180 bottom
R12 "51" CAY16 90.2,66.2 r270 bottom
R13 "1K 1% 0805(2012)" RESC0805(2012)_L 144,69.9 r90 top
R14 "1K 1% 0805(2012)" RESC0805(2012)_L 92.75,66 r270 bottom
R15 "1K 1% 0805(2012)" RESC0805(2012)_L 126.75,75.75 r270 bottom
R16 "1K 1% 0805(2012)" RESC0805(2012)_L 96.5,76.75 r270 bottom
R17 "1K 1% 0805(2012)" RESC0805(2012)_L 132.25,61.75 r90 bottom
R18 "1K 1% 0805(2012)" RESC0805(2012)_L 94.25,79.75 r270 bottom
R19 "1K 1% 0805(2012)" RESC0805(2012)_L 82.5,58.5 r270 top
R20 "1K 1% 0805(2012)" RESC0805(2012)_L 84.5,58.5 r90 top
R22 "240" RESC0603(1608)_L 129.5,81 r0 top
R23 "1K 1% 0805(2012)" RESC0805(2012)_L 95.5,70.5 r180 bottom
R24 "1K 1% 0805(2012)" RESC0805(2012)_L 125.8,71 r180 bottom
R25 "1K 5% 0603(1608)" RESC0603(1608)_L 136.25,46.25 r0 bottom
R26 "1K 5% 0603(1608)" RESC0603(1608)_L 136.25,51.5 r0 bottom
R27 "1K 5% 0603(1608)" RESC0603(1608)_L 136.25,41.25 r180 bottom
R28 "1K 5% 0603(1608)" RESC0603(1608)_L 134.75,44.5 r0 bottom
R29 "1K 5% 0603(1608)" RESC0603(1608)_L 134.75,43 r0 bottom
R30 "1K 5% 0603(1608)" RESC0603(1608)_L 143.5,92.5 r180 bottom
R31 "1K 5% 0603(1608)" RESC0603(1608)_L 143.5,94 r180 bottom
R32 "1K 5% 0603(1608)" RESC0603(1608)_L 143.5,91 r180 bottom
R33 "1K 5% 0603(1608)" RESC0603(1608)_L 140.25,53.5 r180 bottom
R34 "1K 1% 0805(2012)" RESC0805(2012)_L 143.75,46 r90 bottom
R35 "1K 1% 0805(2012)" RESC0805(2012)_L 147.5,49 r0 top
R36 "1K 1% 0805(2012)" RESC0805(2012)_L 147.25,44.75 r180 bottom
R37 "1K 1% 0805(2012)" RESC0805(2012)_L 147.5,51.5 r0 top
R38 "1K 1% 0805(2012)" RESC0805(2012)_L 150.75,46 r270 bottom
R39 "1K 1% 0805(2012)" RESC0805(2012)_L 98.4,57.2 r0 bottom
R40 "1K 1% 0805(2012)" RESC0805(2012)_L 61.5,48.5 r180 top
R41 "1K 1% 0805(2012)" RESC0805(2012)_L 111,43.25 r0 bottom
R42 "1K 1% 0805(2012)" RESC0805(2012)_L 61.5,46.5 r180 top
R43 "1K 1% 0805(2012)" RESC0805(2012)_L 64.25,44.25 r180 bottom
R44 "1K 1% 0805(2012)" RESC0805(2012)_L 111,41 r180 bottom
R45 "1K 1% 0805(2012)" RESC0805(2012)_L 126.25,38.25 r0 bottom
R46 "1K 1% 0805(2012)" RESC0805(2012)_L 116.25,38.75 r180 bottom
R47 "1K 1% 0805(2012)" RESC0805(2012)_L 56,48.5 r0 top
R48 "1K 1% 0805(2012)" RESC0805(2012)_L 53.75,44.25 r180 bottom
R49 "1K 1% 0805(2012)" RESC0805(2012)_L 56,46.5 r180 top
R50 "1K 1% 0805(2012)" RESC0805(2012)_L 79,43 r0 bottom
R51 "1K 1% 0805(2012)" RESC0805(2012)_L 79.5,53.25 r90 top
R52 "1K 1% 0805(2012)" RESC0805(2012)_L 79,41 r180 bottom
R53 "1K 1% 0805(2012)" RESC0805(2012)_L 94.25,38.25 r0 bottom
R54 "1K 1% 0805(2012)" RESC0805(2012)_L 78,50.5 r0 top
R55 "1K 1% 0805(2012)" RESC0805(2012)_L 84.25,38.75 r180 bottom
R56 "1K 5% 0603(1608)" RESC0603(1608)_L 70,51.5 r180 top
R57 "1K 1% 0805(2012)" RESC0805(2012)_L 147.75,101 r0 top
R58 "22" CAY16 133.25,98.5 r0 top
R59 "1K 5% 0603(1608)" RESC0603(1608)_L 148.25,106.25 r180 bottom
R60 "???" RESC0603(1608)_L 143.729,102.846 r0 bottom
R61 "1K 5% 0603(1608)" RESC0603(1608)_L 148.25,104.75 r180 bottom
R62 "1K 5% 0603(1608)" RESC0603(1608)_L 148.25,103.25 r180 bottom
R63 "22" CAY16 129.5,111.25 r270 top
R64 "22" CAY16 129.5,104.25 r90 bottom
R65 "22" CAY16 136.25,98.5 r180 bottom
R66 "22" CAY16 129.5,108.25 r90 bottom
R67 "Value" CAY16 140.25,98.5 r180 bottom
R68 "1K 1% 0805(2012)" RESC0805(2012)_L 141,115.5 r90 bottom
R69 "22" CAY16 129.5,103.25 r270 top
R70 "22" CAY16 129.5,107.25 r270 top
R71 "22" CAY16 129.5,100.25 r90 bottom
R72 "22" CAY16 129.5,112.25 r90 bottom
R73 "22" CAY16 129.5,115.25 r270 top
R74 "22" CAY16 137.25,98.5 r0 top
R75 "1K 5% 0603(1608)" RESC0603(1608)_L 144.25,97 r270 top
R76 "1K 5% 0603(1608)" RESC0603(1608)_L 142.75,97 r270 top
R77 "1K 5% 0603(1608)" RESC0603(1608)_L 136.75,115.5 r90 bottom
R78 "1K 5% 0603(1608)" RESC0603(1608)_L 135.5,115.5 r90 bottom
R79 "1K 5% 0603(1608)" RESC0603(1608)_L 134.25,115.5 r90 bottom
R80 "1K 5% 0603(1608)" RESC0603(1608)_L 133,115.5 r90 bottom
R81 "1K 5% 0603(1608)" RESC0603(1608)_L 145.75,113.75 r270 top
R82 "1K 1% 0805(2012)" RESC0805(2012)_L 112,112.5 r0 bottom
R83 "1K 1% 0805(2012)" RESC0805(2012)_L 109,112.5 r0 bottom
R84 "1K 5% 0603(1608)" RESC0603(1608)_L 106.25,110.25 r270 bottom
R85 "1K 1% 0805(2012)" RESC0805(2012)_L 58.35,106 r180 top
R86 "1K 1% 0805(2012)" RESC0805(2012)_L 61.35,106 r180 top
R87 "1K 1% 0805(2012)" RESC0805(2012)_L 45,109 r270 top
R88 "1K 5% 0603(1608)" RESC0603(1608)_L 65.3,99.25 r0 top
R89 "1K 1% 0805(2012)" RESC0805(2012)_L 58.35,101 r180 top
R90 "1K 1% 0805(2012)" RESC0805(2012)_L 61.35,101 r180 top
R91 "1k" RESC0603(1608)_L 152,77.5 r270 bottom
R92 "1k" RESC0603(1608)_L 152,80 r90 bottom
R93 "1K 5% 0603(1608)" RESC0603(1608)_L 67.4,99.95 r90 top
R94 "100" RESC0805(2012)_L 73.5,91 r180 top
R95 "10k 1%" RESC0805(2012)_L 65.9,96.7 r180 top
R96 "1K 1% 0805(2012)" RESC0805(2012)_L 62.39,87.76 r180 top
R97 "1K 1% 0805(2012)" RESC0805(2012)_L 65.39,87.76 r180 top
R98 "1K 1% 0805(2012)" RESC0805(2012)_L 45,83 r90 top
R99 "000" RESC0603(1608)_L 66.25,107.5 r270 top
R100 "1K 1% 0805(2012)" RESC0805(2012)_L 62.39,92.76 r180 top
R101 "1K 1% 0805(2012)" RESC0805(2012)_L 65.39,92.76 r180 top
R102 "1K 5% 0603(1608)" RESC0603(1608)_L 83.5,89 r180 top
R103 "1K 1% 0805(2012)" RESC0805(2012)_L 40.75,58.5 r0 top
R104 "1K 1% 0805(2012)" RESC0805(2012)_L 40.75,60.75 r180 top
R105 "1K 1% 0805(2012)" RESC0805(2012)_L 45.5,74 r180 top
R106 "1K 1% 0805(2012)" RESC0805(2012)_L 45.5,71.75 r180 top
R107 "1K 1% 0805(2012)" RESC0805(2012)_L 49.75,64 r270 top
R108 "1K 5% 0603(1608)" RESC0603(1608)_L 116.25,116.5 r270 top
R109 "1K 1% 0805(2012)" RESC0805(2012)_L 139,115.5 r90 bottom
T1 "TT1-6" TT!-6-KK81 54,111 r180 top
T2 "TT1-6" TT!-6-KK81 46.46,92.8 r270 top
VD1 "30BQ60" SMC 150,91.5 r90 top
VD2 "BAV99" SO-G3/X.9 40.75,63 r180 top
VG1 "kxo-v97" kxo-v97 118.5,114 r0 top
VG2 "kxo-v97" kxo-v97 81,86.5 r270 top
X1 "IDC10" IDC10M 139,51.5 r90 top
X2 "IDC10" IDC10M 153,51.5 r90 top
X3 "sma" sma 158.46,91.46 r180 top
X4 "USB_3_B" USB3_B 153.29,108.02 r90 top
X5 "sma" sma 39.54,106.46 r0 top
X6 "HU-3" HU-3 158,78.46 r90 top
X7 "sma" sma 39.54,85.46 r0 top
X8 "sma" sma 39.54,50.46 r0 top
ZQ1 "Resonator" BCY-W2/E4.7 138.5,118.5 r0 top
? "" fiducial_1/2 43.5,35.75 r0 top
? "" fiducial_1/2 154,36 r0 top
? "" fiducial_1/2 43.75,116.25 r0 top

## Footprints (in the part's own frame and the unit in brackets; to place one, negate y for a bottom-side part, rotate by r counter-clockwise, add the part's x,y. Pads: shape width x height; smd on the part's side, far side on the other; paste and mask are expansions set on the pad)
8S1_M [mm] "SOIC, 8-Leads, Body 4.9x3.9mm, Pitch 1.27mm, IPC Low Density"
  oval 2.5x0.7 smd: 1(-2.45,1.905) 2(-2.45,0.635) 3(-2.45,-0.635) 4(-2.45,-1.905) 5(2.45,-1.905) 6(2.45,-0.635) 7(2.45,0.635) 8(2.45,1.905)
  silkscreen extent -2.57,-2.55 0.8,2.93, body extent -1.99,-2.52 1.99,2.52, height 1.75
8S1_N [mm] "SOIC, 8-Leads, Body 4.9x3.9mm, Pitch 1.27mm, IPC Medium Density"
  oval 2.2x0.6 smd: 1(-2.4,1.905) 2(-2.4,0.635) 3(-2.4,-0.635) 4(-2.4,-1.905) 5(2.4,-1.905) 6(2.4,-0.635) 7(2.4,0.635) 8(2.4,1.905)
  silkscreen extent -2.53,-2.55 0.9,2.88, body extent -1.99,-2.52 1.99,2.52, height 1.75
ADI-CP-48-8_L [mm] "QFN, 48-Leads, Body 7x7mm, Pitch 0.5mm, Thermal Pad 5.5x5.5mm, IPC High Density"
  oval 0.8x0.25 smd: 1(-3.4,2.75) 2(-3.4,2.25) 3(-3.4,1.75) 4(-3.4,1.25) 5(-3.4,0.75) 6(-3.4,0.25) 7(-3.4,-0.25) 8(-3.4,-0.75) 9(-3.4,-1.25) 10(-3.4,-1.75) 11(-3.4,-2.25) 12(-3.4,-2.75) 25(3.4,-2.75) 26(3.4,-2.25) 27(3.4,-1.75) 28(3.4,-1.25) 29(3.4,-0.75) 30(3.4,-0.25) 31(3.4,0.25) 32(3.4,0.75) 33(3.4,1.25) 34(3.4,1.75) 35(3.4,2.25) 36(3.4,2.75)
  oval 0.25x0.8 smd: 13(-2.75,-3.4) 14(-2.25,-3.4) 15(-1.75,-3.4) 16(-1.25,-3.4) 17(-0.75,-3.4) 18(-0.25,-3.4) 19(0.25,-3.4) 20(0.75,-3.4) 21(1.25,-3.4) 22(1.75,-3.4) 23(2.25,-3.4) 24(2.75,-3.4) 37(2.75,3.4) 38(2.25,3.4) 39(1.75,3.4) 40(1.25,3.4) 41(0.75,3.4) 42(0.25,3.4) 43(-0.25,3.4) 44(-0.75,3.4) 45(-1.25,3.4) 46(-1.75,3.4) 47(-2.25,3.4) 48(-2.75,3.4)
  rect 5.5x5.5 smd: 49(0,0)
  silkscreen extent -4.47,-3.7 3.7,3.7, body extent -3.55,-3.55 3.55,3.55, height 1